# Altium PCB TLS_NBIOT.PcbDoc
Units mil, origin at the board's own origin, x right, y up, seen from the top; angles counter-clockwise.
Board outline 2213.4 x 1145.67 mil, 5 copper layers (Top Layer, PWRS, GND, Internal Plane 13, Bottom Layer); 98 components, 79 nets, 382 pads, 156 vias.
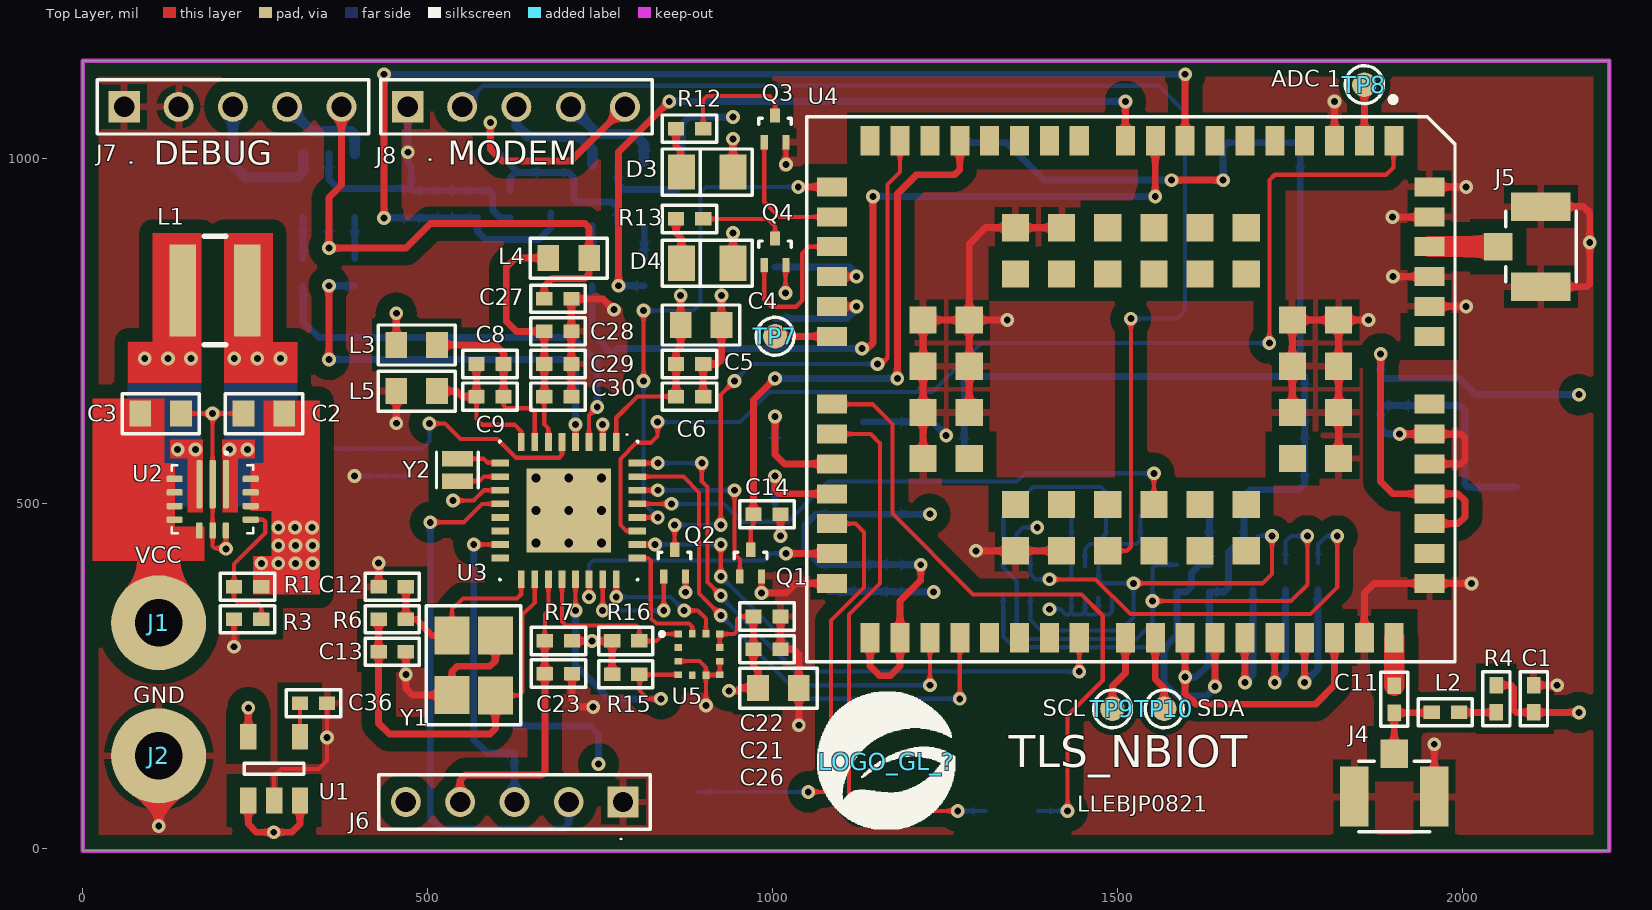
[diagram p0: Top Layer view]
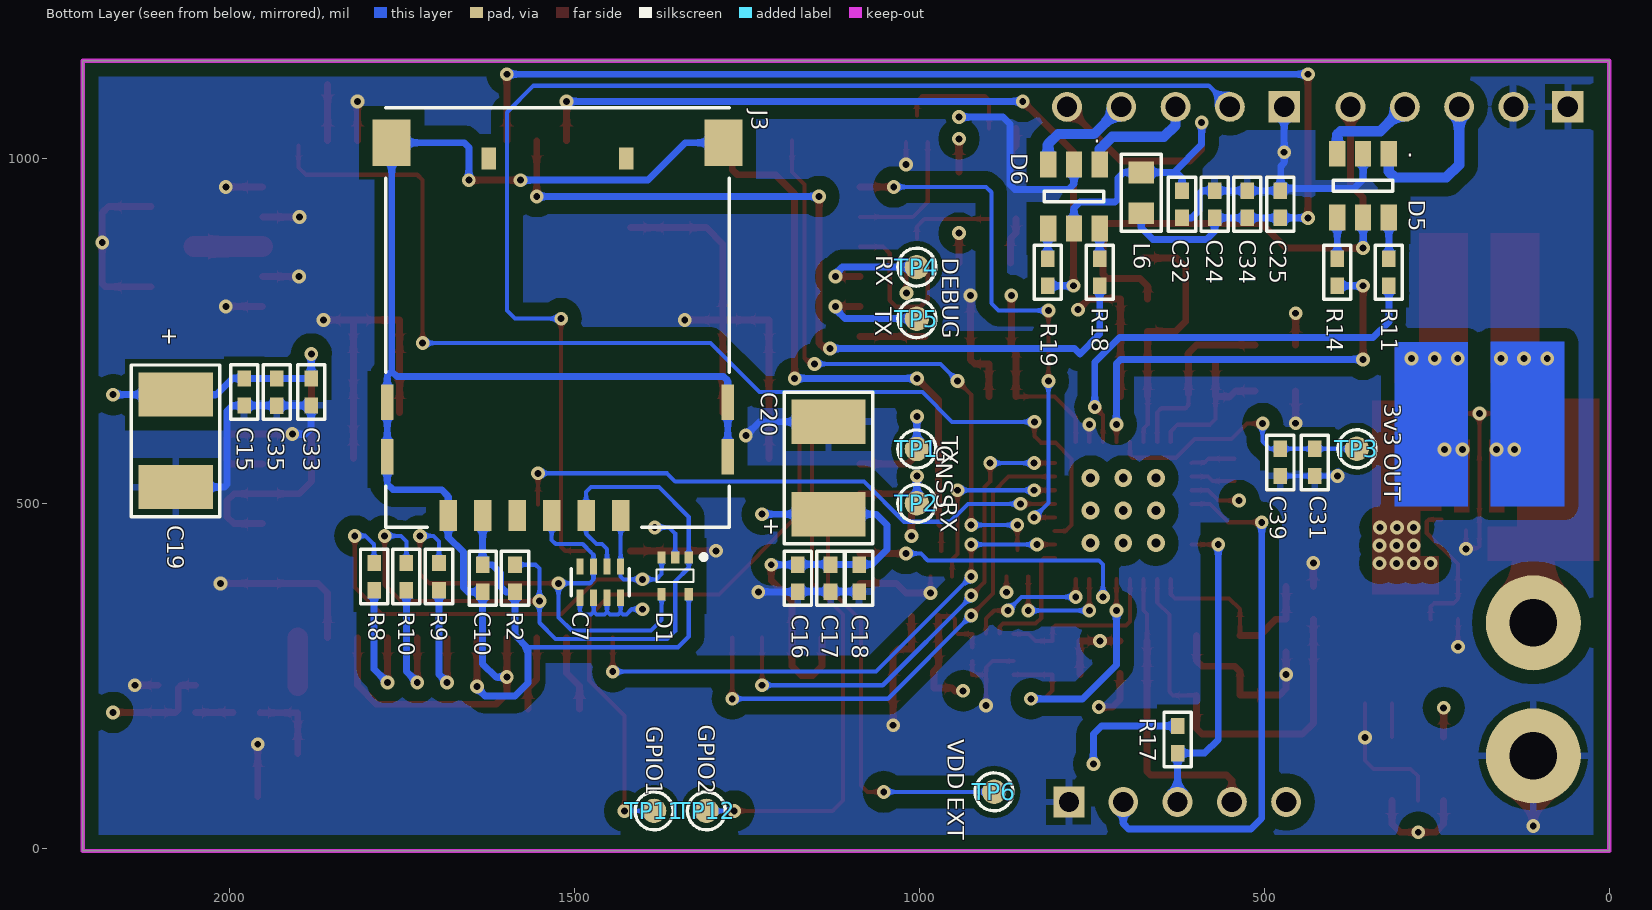
[diagram p1: Bottom Layer view, seen from below]
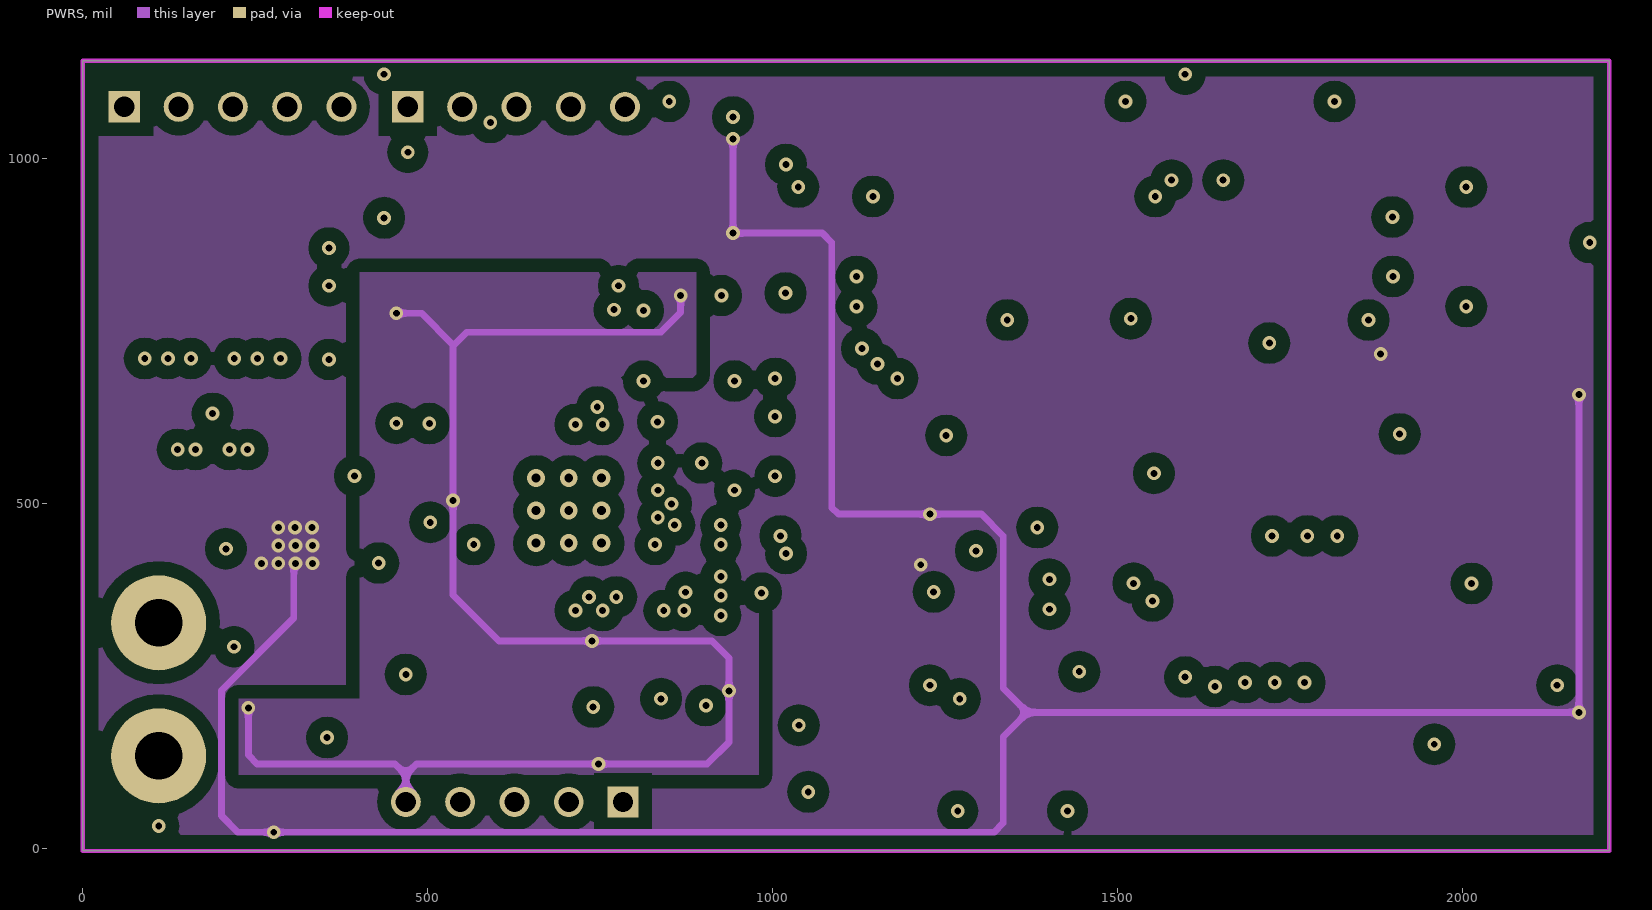
[diagram p2: PWRS]
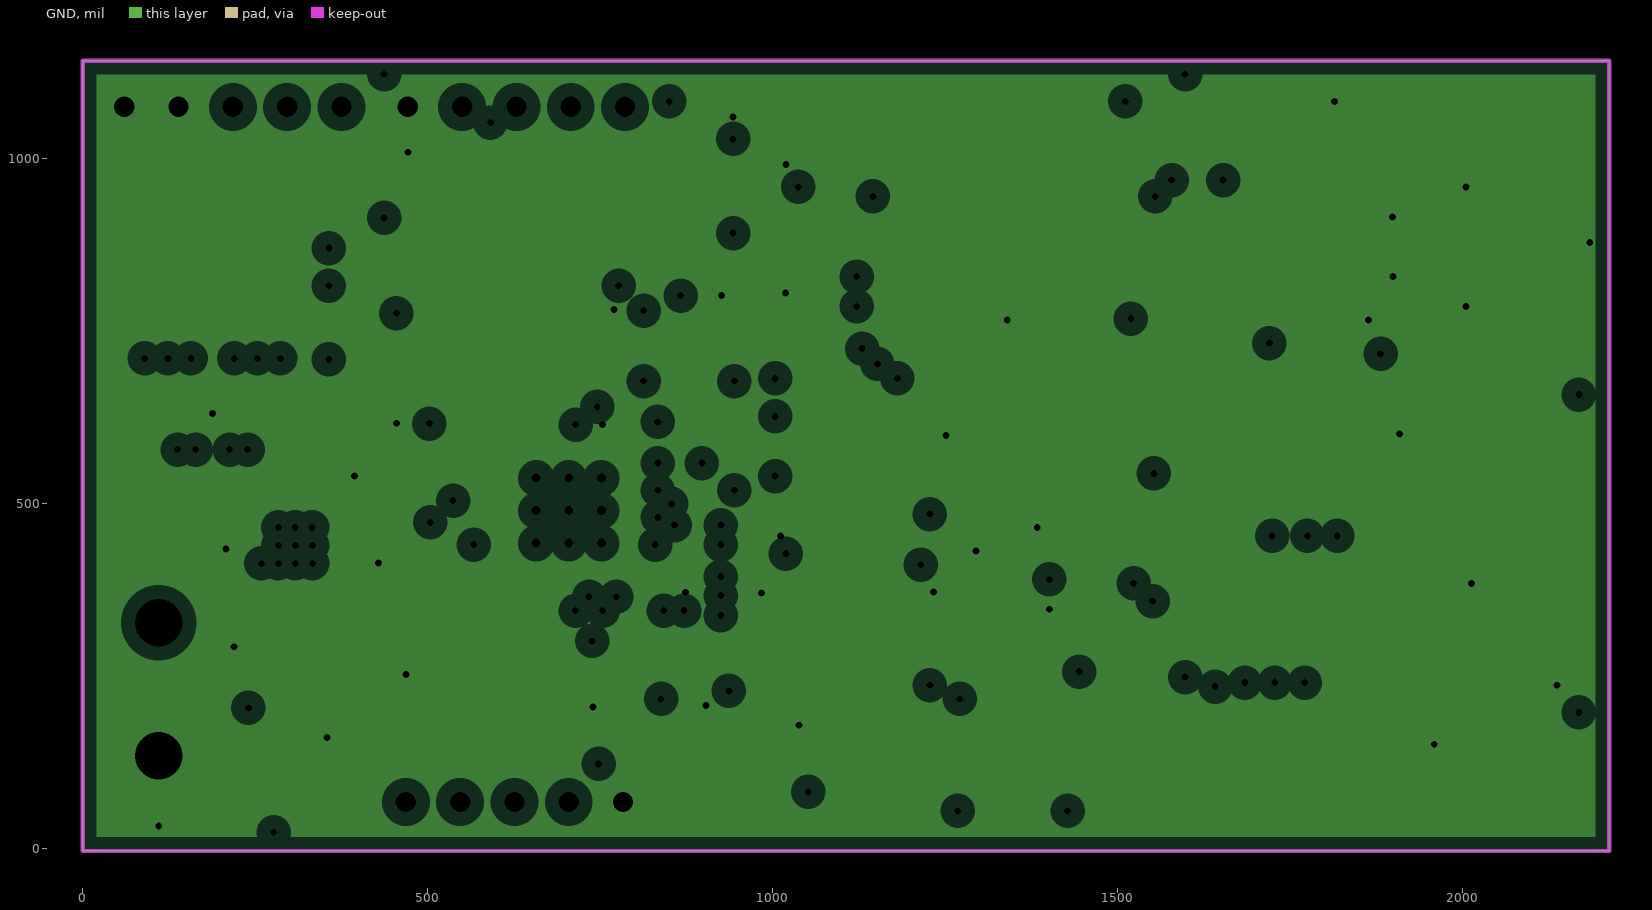
[diagram p3: GND, clearances drawn from the general rule]
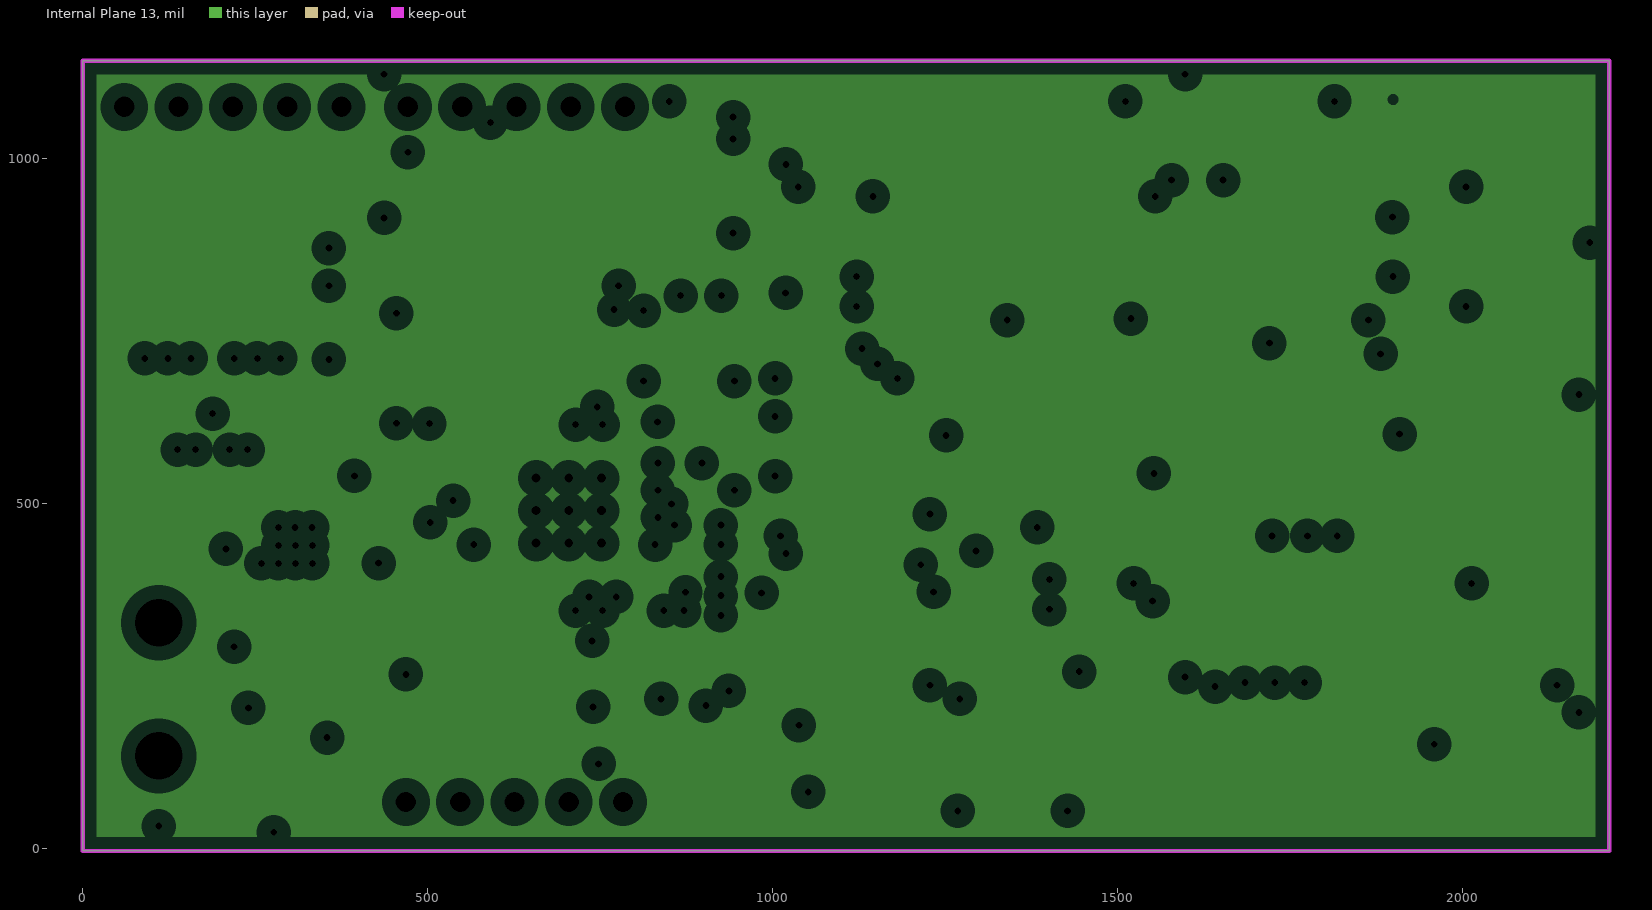
[diagram p4: Internal Plane 13, clearances drawn from the general rule]

## Layer stack, top to bottom
Top Solder: solder mask 0.4, Solder Resist, Dk 3.5
Top Layer: signal copper 1.4
Dielectric1: core 12.6, FR-4, Dk 4.8
PWRS: signal copper 1.4
Dielectric2: prepreg 12.6, FR-4, Dk 4.8
GND: plane copper 1.4, net GND
Dielectric6: core 12.6, FR-4, Dk 4.8
Internal Plane 13: plane copper 1.4
Dielectric3: dielectric 12.6, FR-4, Dk 4.8
Bottom Layer: signal copper 1.4
Bottom Solder: solder mask 0.4, Solder Resist, Dk 3.5

## Board outline
0,-3.94 0,1141.73 2213.4,1141.73 2213.4,-3.94

## Design rules (kind name [scope] priority, off if disabled: settings)
Clearance Ant2Gnd [InNet('ANT_MAIN') and InNet('ANT_GNSS') vs InNet('GND')] p1: gap=10 ignorepadtopadclearanceinfootprint=FALSE except(0: Arc-Hole Track-Hole SMDPad-Hole THPad-Hole Via-Hole Fill-Hole Poly-Hole Region-Hole Text-Hole; 13: Track-Poly)
Clearance ClearancePours [InPolygon] p2: gap=20 ignorepadtopadclearanceinfootprint=FALSE except(0: Arc-Hole Track-Hole SMDPad-Hole THPad-Hole Via-Hole Fill-Hole Poly-Hole Region-Hole Text-Hole)
Clearance ClearancePWRA [OnLayer('PWRS')] p3: gap=15 ignorepadtopadclearanceinfootprint=FALSE except(0: Arc-Hole Track-Hole SMDPad-Hole THPad-Hole Via-Hole Fill-Hole Poly-Hole Region-Hole Text-Hole)
Clearance [All] p4: gap=6 ignorepadtopadclearanceinfootprint=FALSE except(0: Arc-Hole Track-Hole SMDPad-Hole THPad-Hole Via-Hole Fill-Hole Poly-Hole Region-Hole Text-Hole; 5.98: SMDPad-Via)
ComponentClearance Preset [HasFootprint('3386P')] p1: gap=0 collisioncheckmode=3 verticalgap=0 showdistances=FALSE
ComponentClearance ficucial [hasfootprint('FIDUCIAL')] p2: gap=0 collisioncheckmode=3 verticalgap=0 showdistances=TRUE
ComponentClearance BUZZER [InComponent('J5') vs InComponent('BZ1')] p3: gap=0 collisioncheckmode=3 verticalgap=0 showdistances=FALSE
ComponentClearance [All] p4: gap=10 collisioncheckmode=3 verticalgap=10 showdistances=FALSE
DiffPairsRouting [All] p1: maxlimit=0 minlimit=-1.75 mostfreqgap=0 toplayer_maxgap=-1.75 toplayer_prefgap=-1.75 toplayer_minwidth=15 toplayer_maxwidth=15 toplayer_prefwidth=15 midlayer1_maxgap=-1.75 midlayer1_prefgap=-1.75 midlayer1_minwidth=15 midlayer1_maxwidth=15 midlayer1_prefwidth=15 bottomlayer_maxgap=-1.75 bottomlayer_prefgap=-1.75 bottomlayer_minwidth=15 bottomlayer_maxwidth=15 bottomlayer_prefwidth=15 maxuncoupledlength=500
HoleSize [All] p1: absolutevalues=TRUE maxlimit=157.48 minlimit=1 maxpercent=80.000 minpercent=20.000
MinimumSolderMaskSliver [All] p1: minsoldermaskwidth=2
PlaneClearance [All] p1: clearance=20
PlaneConnect isRegion [IsRegion] p1: planeconnectstyle=Relief reliefexpansion=20 reliefentries=4 reliefconductorwidth=10 reliefairgap=10
PlaneConnect IsVia [IsVia] p2: planeconnectstyle=Direct reliefexpansion=20 reliefentries=4 reliefconductorwidth=10 reliefairgap=10
PlaneConnect [All] p3: planeconnectstyle=Relief reliefexpansion=20 reliefentries=4 reliefconductorwidth=10 reliefairgap=10
PolygonConnect V_MDM [InNet('VEXT_MDM')] p1: connectstyle=Direct reliefconductorwidth=10 reliefentries=4 polygonreliefangle="90 Angle" airgapwidth=10
PolygonConnect VIN_POLY [InNet('24V_EXT')] p2: connectstyle=Direct reliefconductorwidth=10 reliefentries=4 polygonreliefangle="90 Angle" airgapwidth=10
PolygonConnect +5V_POLY [InNet('3V3_MCU') or InNet('NetC6_2')] p3: connectstyle=Direct reliefconductorwidth=10 reliefentries=4 polygonreliefangle="90 Angle" airgapwidth=10
PolygonConnect ST1S14_DIODO_IND [InNet('NetC21_2')] p4: connectstyle=Direct reliefconductorwidth=10 reliefentries=4 polygonreliefangle="90 Angle" airgapwidth=10
PolygonConnect Polygon2Via [IsVia] p5: connectstyle=Direct reliefconductorwidth=10 reliefentries=4 polygonreliefangle="90 Angle" airgapwidth=10
PolygonConnect PolygonPWRS [OnLayer('PWRS')] p6: connectstyle=Direct reliefconductorwidth=10 reliefentries=4 polygonreliefangle="90 Angle" airgapwidth=10
PolygonConnect PolygonVMAIN [InNet('VMAIN')] p7: connectstyle=Direct reliefconductorwidth=10 reliefentries=4 polygonreliefangle="90 Angle" airgapwidth=10
PolygonConnect [All] p8: connectstyle=Relief reliefconductorwidth=10 reliefentries=4 polygonreliefangle="90 Angle" airgapwidth=10
PolygonConnect PolygonVGPIO [All vs InNet('VGPIO')] p9: connectstyle=Direct reliefconductorwidth=10 reliefentries=4 polygonreliefangle="90 Angle" airgapwidth=10
RoutingVias [All] p1: holewidth=10 width=20 viastyle="Through Hole" minholewidth=10 minwidth=20 maxholewidth=20 maxwidth=40
ShortCircuit EP [HasFootprintPad('QFN32EP','33')] p1: allowed=TRUE
ShortCircuit [All] p2: allowed=FALSE
SilkToSilkClearance [All] p1: silktosilkclearance=3
SilkToSolderMaskClearance [IsVia] p1: minsilkscreentomaskgap=1 clearancetoexposedcopper=TRUE
SilkToSolderMaskClearance SilkscreenOverComponentPads [IsPad] p2: minsilkscreentomaskgap=3 clearancetoexposedcopper=TRUE
SolderMaskExpansion [All] p1: expansion=4 istentingtop=FALSE
Width PWRS [InNet('24V_EXT') or InNet('24V')] p1: maxlimit=60 minlimit=20 preferedwidth=20
Width Antenas [InNet('ANT_GPS') Or InNet('ANT_GSM') Or InNet('RF_GPS')] p2: maxlimit=35 minlimit=20 preferedwidth=35
Width [All] p3: maxlimit=60 minlimit=6 preferedwidth=10
21 further rules are at their usual default settings.

## Classes and differential pairs
differential pair USB_IN: +USB_IN_P -USB_IN_N
differential pair USB_D: +USB_D_P -USB_D_N
differential pair USB_D_MCU: +USB_D_MCU_P -USB_D_MCU_N
differential pair USB_MCU: +USB_MCU_P -USB_MCU_N

## Components (designator, comment, footprint, x,y, rotation, side; value= is the part's Value field where it differs from the comment)
C1 "100nF" 0402 2104.08,216.54 r90 top
C2 "47uF" 0603 262.76,630.12 r180 top
C3 "10uF 6V3" 0603 113.15,630.12 r0 top
C4 "10uF 6.3V" 0603 896.55,758.55 r0 top
C5 "1uF 6V3" 0402 879.92,701.99 r0 top
C6 "100nF" 0402 879.92,654.75 r0 top
C7 "33pF 50V" CKCL44 1462.99,385.83 r180 bottom
C8 "100nF" 0402 590.55,701.99 r180 top
C9 "10nF" 0402 590.55,654.75 r180 top
C10 "100nF" 0402 1633.46,391.28 r90 bottom
C11 "100pF" 0402 1901.57,215.97 r270 top
C12 "27pF" 0402 448.82,379.16 r180 top
C13 "27pF" 0402 448.82,284.67 r0 top
C14 "10nF" 0402 992.13,484.25 r0 top
C15 "100nF" 0402 1979.11,661.42 r270 bottom
C16 "8.2pF" 0402 1176.39,391.28 r270 bottom
C17 "33pF" 0402 1129.15,391.28 r270 bottom
C18 "100nF" 0402 1087.76,391.28 r270 bottom
C19 "100uF 10V" 1210P 2078.74,590.55 r270 bottom
C20 "100uF 10V" 1210P 1132.08,551.18 r90 bottom
C21 "100nF" 0402 992.13,288.61 r0 top
C22 "100nF" 0402 992.13,335.85 r0 top
C23 "100nF" 0402 689.81,253.18 r180 top
C24 "8.2pF" 0402 572.31,933.54 r90 bottom
C25 "33pF" 0402 476.82,933.54 r90 bottom
C26 "10uF 6V3" 0603 1008.76,232.05 r0 top
C27 "100nF" 0402 688.98,796.48 r0 top
C28 "8.2pF" 0402 688.98,749.24 r0 top
C29 "27pF" 0402 688.98,701.99 r0 top
C30 "33pF" 0402 688.98,654.75 r0 top
C31 "100nF" 0402 427,559.32 r90 bottom
C32 "100nF" 0402 619.55,933.54 r270 bottom
C33 "8.2pF" 0402 1882.12,661.42 r270 bottom
C34 "27pF" 0402 525.06,933.54 r90 bottom
C35 "33pF" 0402 1931.86,661.31 r270 bottom
C36 "100nF" 0402 334.65,210 r180 top
C39 "2.2uF 6V3" 0402 476.82,559.32 r270 bottom
D1 "SP1001-04" SOT553 1334.65,421.26 r0 bottom
D3 "ROJO" LED0805_R 905.51,980.31 r180 top
D4 "ROJO" LED0805_R 905.51,848.13 r180 top
D5 "USBLC6-2SC6" SOT23-6 356.97,960.63 r0 bottom
D6 "USBLC6-2SC6" SOT23-6 776.24,944.88 r0 bottom
J1 "PIN CABLE" PIN_CABLE 110.24,326.77 r90 top
J2 "PIN CABLE" PIN_CABLE 110.24,133.86 r90 top
J3 "MOLEX 0786463001" MOLEX_uSIM_0786463001 1284.65,1022.83 r90 bottom
J4 "1566230-1" "Style A - 1566230" 1901.57,74.8 r0 top
J5 "1566230-1" "Style A - 1566230" 2114.17,872.05 r90 top
J6 "2111-1X5G00SB" SIP5_MM 783.46,66.93 r180 top
J7 "2111-1X5G00SB" SIP5_MM 60.26,1074.8 r0 top
J8 "2111-1X5G00SB" SIP5_MM 471.4,1074.8 r0 top
L1 "1uH" XGL4020102 191.89,808.66 r0 top
L2 "47nH" 0402 1975.64,196.85 r180 top
L3 "100R@100MHz" 0603 484.25,729.55 r180 top
L4 "100R@100MHz" 0603 704.72,855.54 r180 top
L5 "100R@100MHz" 0603 484.25,662.62 r180 top
L6 "100R@100MHz" 0603 678.61,950.17 r270 bottom
LOGO_GL_? "" LOGO_GL_5mm_SILK 1166,125 r0 top
Q1 "DTC043ZEBTL" SOT723 968.5,413.39 r0 top
Q2 "DTC043ZEBTL" SOT723 858.27,413.39 r0 top
Q3 "DTC043ZEBTL" SOT723 1003.94,1042.85 r0 top
Q4 "DTC043ZEBTL" SOT723 1003.94,864.57 r0 top
R1 "634K 1%" 0402 239.13,379.16 r0 top
R2 "15K 1%" 0402 1586.61,391.28 r270 bottom
R3 "182K 1%" 0402 239.13,331.92 r0 top
R4 "10R" 0402 2049.7,216.54 r90 top
R6 "10M" 0402 448.82,331.92 r180 top
R7 "4K7" 0402 689.81,300.42 r0 top
R8 "0R" 0402 1790.95,393.7 r90 bottom
R9 "0R" 0402 1696.85,393.7 r90 bottom
R10 "0R" 0402 1744.09,393.7 r90 bottom
R11 "33R" 0402 319.57,835.05 r270 bottom
R12 "2K2" 0402 879.92,1043.31 r180 top
R13 "2K2" 0402 879.92,912.26 r180 top
R14 "33R" 0402 394.38,835.05 r270 bottom
R15 "4K7" 0402 787.4,251.97 r180 top
R16 "4K7" 0402 787.4,300.42 r180 top
R17 "4K7" 0402 625.98,157.48 r90 bottom
R18 "33R" 0402 738.84,835.05 r270 bottom
R19 "33R" 0402 814.18,835.05 r270 bottom
TP1 "TP" TP 1003.94,578.74 r180 bottom
TP2 "TP" TP 1003.94,500 r90 bottom
TP3 "TP" TP 366,579 r90 bottom
TP4 "TP" TP 1003.94,842.52 r90 bottom
TP5 "TP" TP 1003.94,767.72 r90 bottom
TP6 "TP" TP 892,81.63 r90 bottom
TP7 "TP" TP 1003.94,742.13 r90 top
TP8 "TP" TP 1858.27,1107 r90 top
TP9 "TP" TP 1493,202 r90 top
TP10 "TP" TP 1568,202 r90 top
TP11 "TP" TP 1385,54 r90 bottom
TP12 "TP" TP 1309,54 r90 bottom
U1 "TPS73118DBVT" SOT23-5 240.16,68.9 r0 top
U2 "TPS63025" VQFN14 188.35,498.03 r270 top
U3 "MK20DX128VFM5" QFN32EP 704.72,489.4 r270 top
U4 "BG95" BG95 1519.69,665.35 r270 top
U5 "LIS2DS12" LGA12 893.7,280.99 r0 top
Y1 "12MHz" NX3225SA 566.93,264.99 r90 top
Y2 "32.768KHz" ECS-1210 543.31,548.45 r90 top

## Footprints (in the part's own frame and the unit in brackets; to place one, negate y for a bottom-side part, rotate by r counter-clockwise, add the part's x,y. Pads: shape width x height; smd on the part's side, far side on the other; paste and mask are expansions set on the pad)
0402 [mm]
  rect 0.6x0.5 smd: 1(-0.5,0) 2(0.5,0)
  silkscreen extent -1,-0.5 1,0.5, body extent -0.49,-0.25 0.51,0.25, height 0.38
0603 [mm] "Chip Resistor, 2-Leads, Body 0,6\"x0,3\" - 1,6x0,9mm, IPC High Density"
  rect 0.8x0.95 smd: 1(-0.75,0) 2(0.75,0)
  silkscreen extent -1.42,-0.74 1.42,0.74, body extent -0.8,-0.41 0.8,0.39, height 0.44
1210P [mil]
  rect 64x108 smd: 1(-67,0) 2(67,0)
  silkscreen extent -110,-64 110,64, body extent -63,-54 63,54, height 63
BG95 [mm]
  rect 1.1x0.7 smd: 1(-9.15,9.7) 2(-9.15,8.6) 3(-9.15,7.5) 4(-9.15,6.4) 5(-9.15,5.3) 6(-9.15,4.2) 7(-9.15,3.1) 8(-9.15,2) 9(-9.15,0.9) 10(-9.15,-0.2) 11(-9.15,-1.9) 12(-9.15,-3) 13(-9.15,-4.1) 14(-9.15,-5.2) 15(-9.15,-6.3) 16(-9.15,-7.4) 17(-9.15,-8.5) 18(-9.15,-9.6) 32(9.15,-9.6) 33(9.15,-8.5) 34(9.15,-7.4) 35(9.15,-6.3) 36(9.15,-5.2) 37(9.15,-4.1) 38(9.15,-3) 39(9.15,-1.9) 40(9.15,-0.2) 41(9.15,0.9) 42(9.15,2) 43(9.15,3.1) 44(9.15,4.2) 45(9.15,5.3) 46(9.15,6.4) 47(9.15,7.5) 48(9.15,8.6) 49(9.15,9.7)
  rect 0.7x1.1 smd: 19(-7.45,-11) 20(-6.35,-11) 21(-5.25,-11) 22(-4.15,-11) 23(-3.05,-11) 24(-1.95,-11) 25(0.55,-11) 26(1.65,-11) 27(2.75,-11) 28(3.85,-11) 29(4.95,-11) 30(6.05,-11) 31(7.15,-11) 50(7.15,11) 51(6.05,11) 52(4.95,11) 53(3.85,11) 54(2.75,11) 55(1.65,11) 56(0.55,11) 57(-1.95,11) 58(-3.05,11) 59(-4.15,11) 60(-5.25,11) 61(-6.35,11) 62(-7.45,11)
  rect 1x1 smd: 63(-5.95,4.25) 64(-5.95,2.55) 65(-5.95,0.85) 66(-5.95,-0.85) 67(-5.95,-2.55) 68(-5.95,-4.25) 69(-2.55,-7.65) 70(-0.85,-7.65) 71(0.85,-7.65) 72(2.55,-7.65) 73(5.95,-4.25) 74(5.95,-2.55) 75(5.95,-0.85) 76(5.95,0.85) 77(5.95,2.55) 78(5.95,4.25) 79(2.55,7.65) 80(0.85,7.65) 81(-0.85,7.65) 82(-2.55,7.65) 83(-4.25,4.25) 84(-4.25,2.55) 85(-4.25,0.85) 86(-4.25,-0.85) 87(-4.25,-2.55) 88(-4.25,-4.25) 89(-2.55,-5.95) 90(-0.85,-5.95) 91(0.85,-5.95) 92(2.55,-5.95) 93(4.25,-4.25) 94(4.25,-2.55) 95(4.25,-0.85) 96(4.25,0.85) 97(4.25,2.55) 98(4.25,4.25) 99(2.55,5.95) 100(0.85,5.95) 101(-0.85,5.95) 102(-2.55,5.95)
  Internal Plane 13 circle w0.2: c-10.67,9.66 r0.1
  Internal Plane 13 circle w0.2: c-10.67,9.66 r0.1
  silkscreen extent -10.77,-11.94 10.03,11.94, body extent -9.95,-11.8 9.95,11.8, height 2.25
CKCL44 [mm]
  rect 0.25x0.6 smd mask+0.05: 1(-0.75,-0.575) 2(-0.25,-0.575) 3(0.25,-0.575) 4(0.75,-0.575) 5(0.75,0.575) 6(0.25,0.575) 7(-0.25,0.575) 8(-0.75,0.575)
  silkscreen extent -1.07,-0.5 1.07,0.5, body extent -1,-0.63 1,0.65, height 0.52
ECS-1210 [mm]
  rect 0.575x1.14 smd mask+0.07: 1(-0.413,0) 2(0.413,0)
  silkscreen extent -0.65,-0.77 0.65,0.77, body extent -0.6,-0.5 0.6,0.5, height 0.35
LED0805_R [mm]
  rect 1x1.3 smd: 1(-0.95,0) 2(0.95,0)
  silkscreen extent -1.65,-0.85 1.65,0.85, body extent -1.02,-0.65 1,0.6, height 1.1
LGA12 [mm] "LGA12"
  rect 0.275x0.25 smd mask+0.064: 1(-0.763,0.75) 2(-0.763,0.25) 3(-0.763,-0.25) 4(-0.763,-0.75) 7(0.763,-0.75) 8(0.763,-0.25) 9(0.763,0.25) 10(0.763,0.75)
  rect 0.25x0.275 smd mask+0.064: 5(-0.25,-0.763) 6(0.25,-0.763) 11(0.25,0.763) 12(-0.25,0.763)
  silkscreen extent -1.39,0.72 -1.34,0.77, body extent -1.05,-1.05 1.05,1.05, height 0.87
LOGO_GL_5mm_SILK [mil]
  silkscreen extent -101,-97 99,102
MOLEX_uSIM_0786463001 [mm]
  rect 1.15x0.65 smd: C1(-13.73,8.86) C2(-13.73,6.32) C3(-13.73,3.78) C5(-13.73,10.13) C6(-13.73,7.59) C7(-13.73,5.05)
  rect 1.3x0.45 smd: G1(-11.56,-0.165) G2(-9.56,-0.165) G5(-9.56,12.375) G6(-11.56,12.375)
  rect 1.7x1.4 smd: G3(0,0) G4(0,12.21)
  rect 0.8x0.54 smd: X1(-0.58,8.64) X2(-0.58,3.57)
  silkscreen extent -14.16,-0.22 1.29,12.43, body extent -14.18,-0.43 1.27,12.62, height 1.41
NX3225SA [mm]
  rect 1.4x1.3 smd: 1(1.105,0.8) 2(-1.095,0.8) 3(-1.105,-0.8) 4(1.105,-0.8)
  silkscreen extent -2.19,-1.74 2.2,1.74, body extent -1.25,-1 1.25,1, height 0.55